# Altium PCB pcb.PcbDoc (part 2 of 3)
Units mil, origin at the board's own origin, x right, y up, seen from the top; angles counter-clockwise.
Board outline 4487.66 x 5255 mil, 2 copper layers (Top Layer, Bottom Layer); 218 components, 191 nets, 869 pads, 351 vias.
Unrouted connection lines stored in the file: 2.
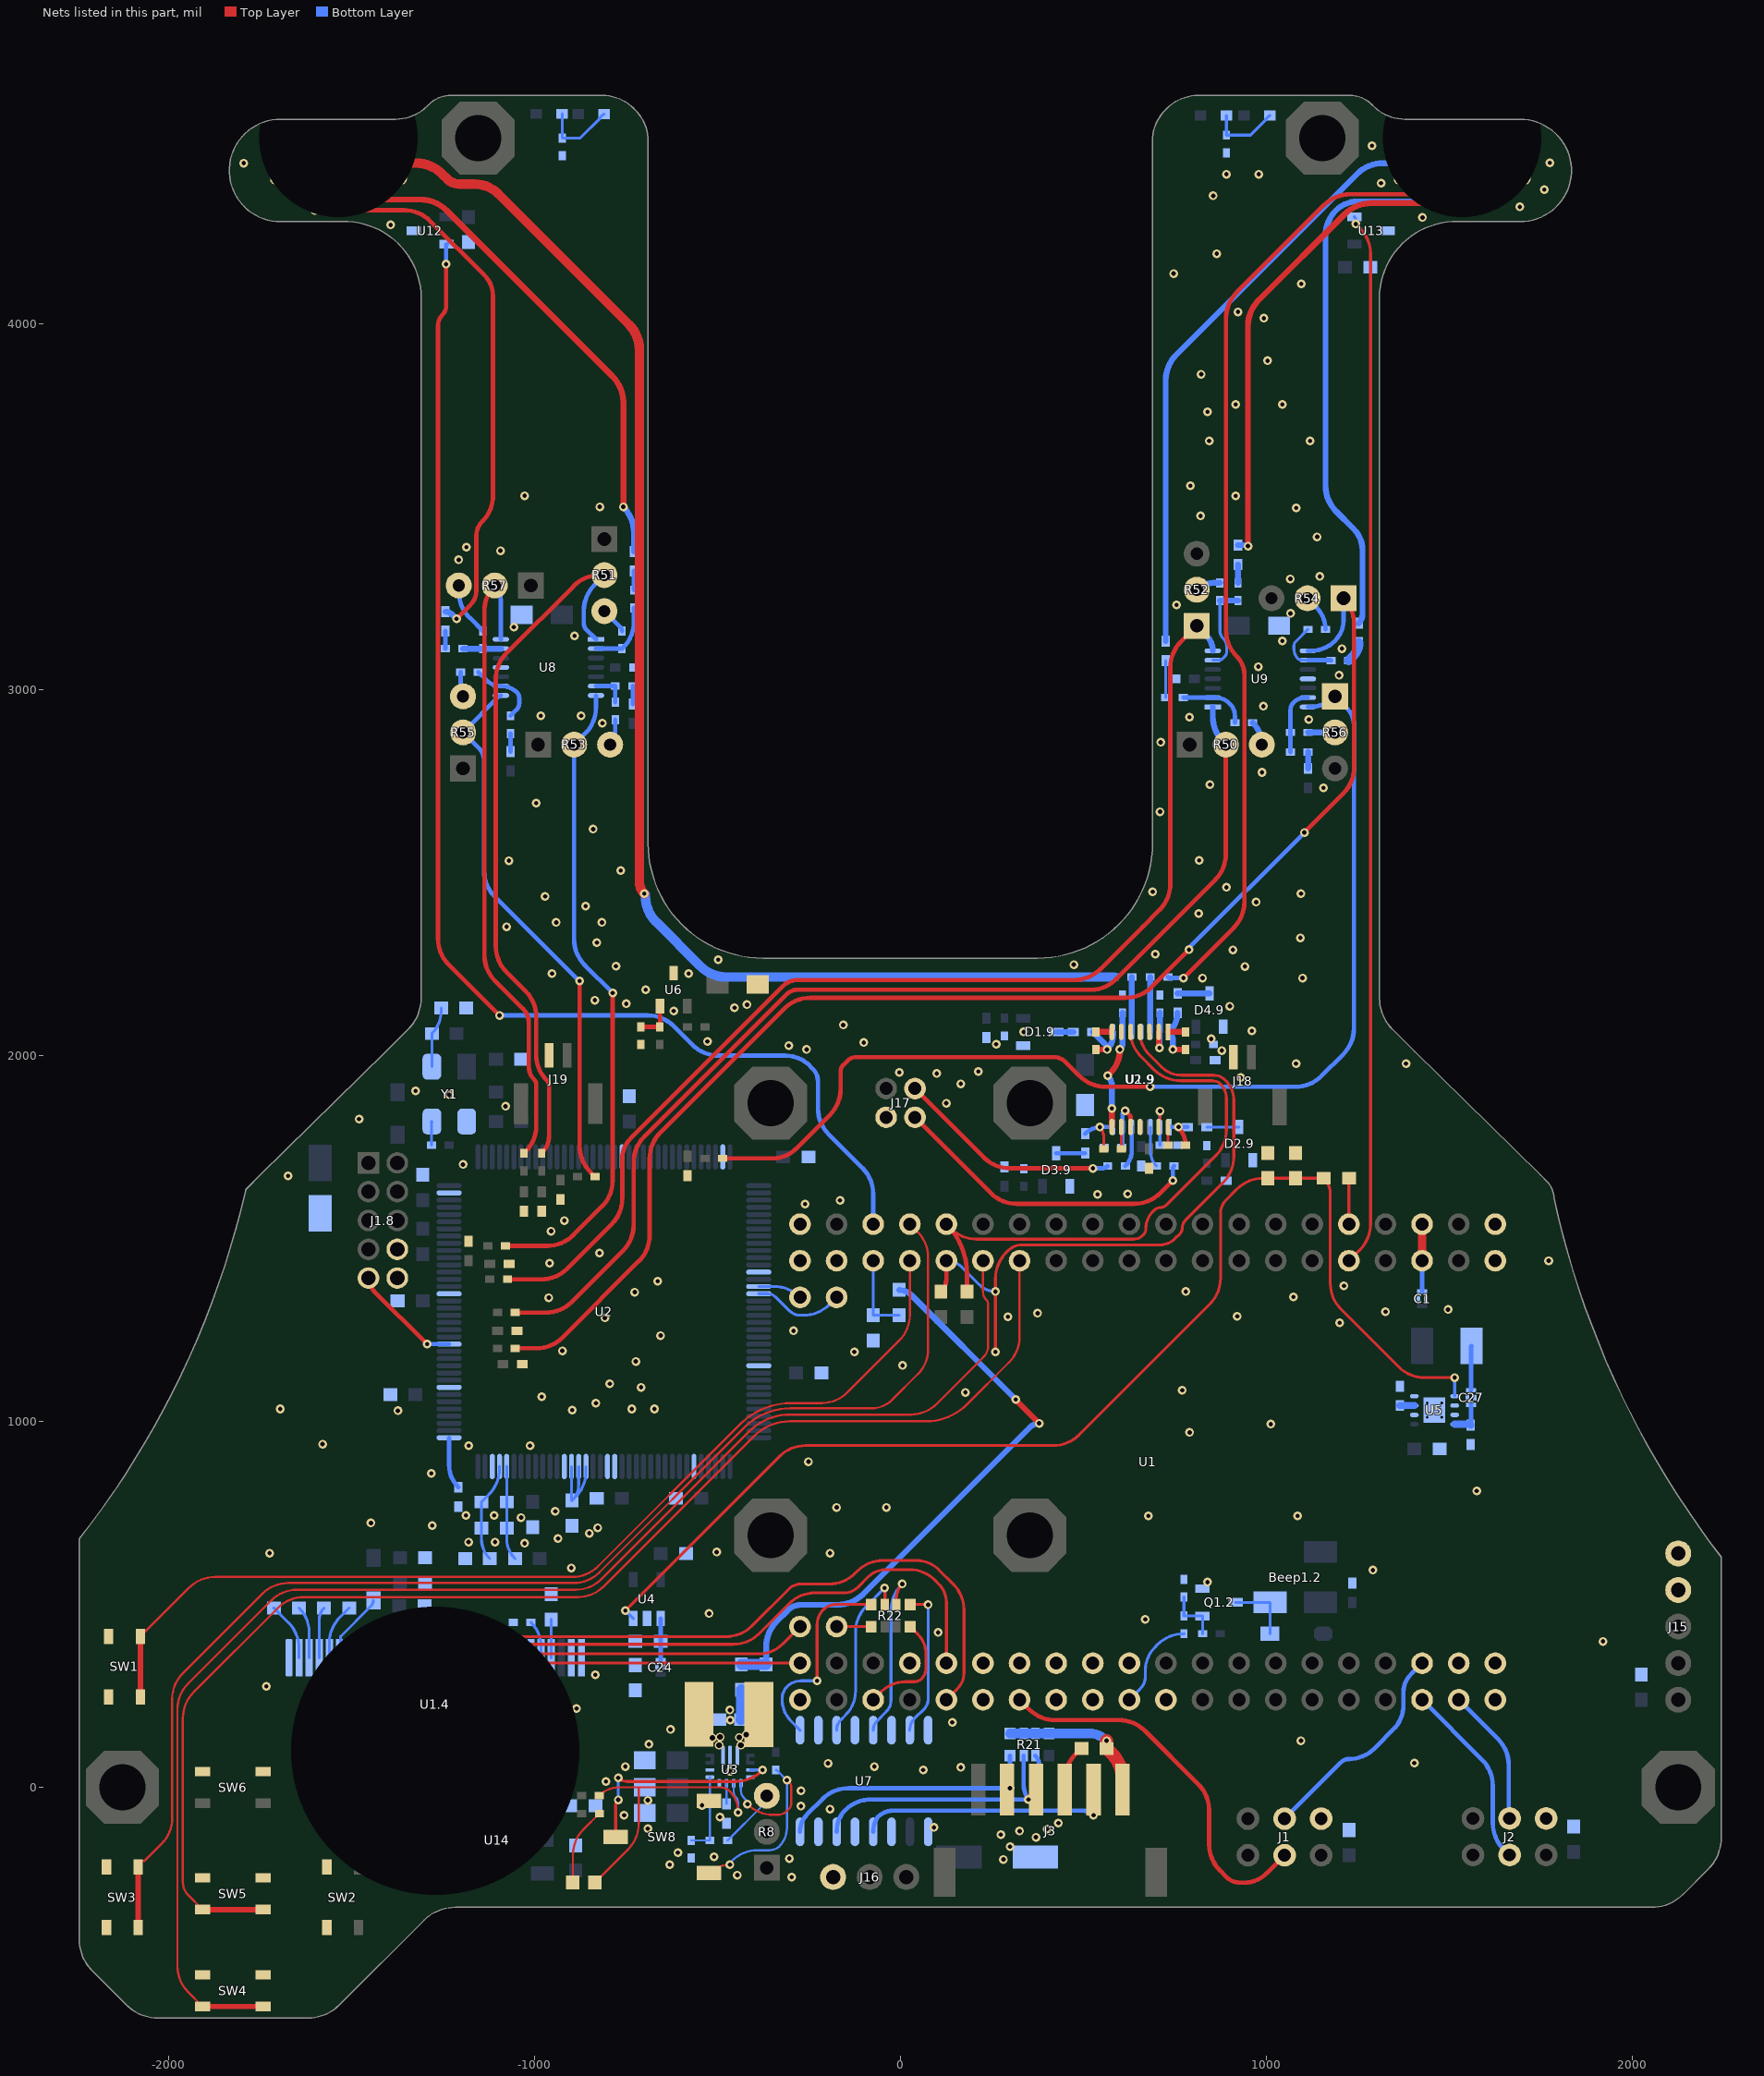
[diagram p2: the nets of this part, all layers, seen from the top]

## Via types
v1: diameter 24, hole 12, Top Layer to Bottom Layer, tented both sides, 336 vias
v2: diameter 23.62, hole 15.75, Top Layer to Bottom Layer, tented both sides, 13 vias
v3: diameter 23.62, hole 11.81, Top Layer to Bottom Layer, tented both sides, 2 vias

## Nets (pads, with @x,y where several pads share a name; then routed paths per layer and width w, separated by ;. In a path a pad name is that pad's centre, name@x,y a point inside that pad or via, vN(x,y) a via of type N, cw(c..) or ccw(c..) an arc to the next point about the centre after c; other vN are vias at no path point) (continued)
AD_B0_14: SW4.1 U1.30 | length 3874.2
  Top Layer w6: SW4.1@-1906.67,-598.91 -1946.42,-559.16 cw(c-1875.71,-488.45) -1975.71,-488.45 -1975.71,212.87 cw(c-1875.71,212.87) -1946.42,283.58 -1719.29,510.71 cw(c-1648.58,440) -1648.58,540 -887.3,540 ccw(c-887.3,640) -816.59,569.29 -413.32,972.56 cw(c-301.34,860.58) -301.34,1018.94 28.92,1018.94 ccw(c28.92,1118.94) 99.63,1048.23 226.94,1175.54 ccw(c195.41,1207.07) 240,1207.07 240,1320.32 ccw(c222.93,1320.32) 235,1332.39 cw(c256.7,1354.09) 226.01,1354.09 U1.30@226.01,1439.39
  Top Layer w15: SW4.1@-1906.67,-598.91 SW4.1@-1741.31,-598.91
AD_B0_15: SW5.1 U1.28 | length 3653.3
  Top Layer w6: SW5.1@-1906.67,-333.91 -1946.42,-294.16 cw(c-1911.92,-259.66) -1960.71,-259.66 -1960.71,189.18 cw(c-1860.71,189.18) -1931.42,259.89 -1700.6,490.71 cw(c-1629.89,420) -1629.89,520 -881.16,520 ccw(c-881.16,620) -810.45,549.29 -399.97,959.77 cw(c-301.74,861.55) -301.74,1000.45 70.32,1000.45 ccw(c70.32,1158.81) 182.3,1046.84 296.72,1161.25 ccw(c226.01,1231.96) 326.01,1231.96 U1.28@326.01,1439.39
  Top Layer w15: SW5.1@-1906.67,-333.91 SW5.1@-1741.31,-333.91
AD_B1_00: R47.2 U1.32 U2.9.4 | length 1803.9
  Top Layer w8: v1(260,1190) v1(260,1355) 260,1391.05 cw(c360,1391.05) 289.29,1461.76 294.11,1466.58 cw(c333.16,1427.54) 333.16,1482.75 710.11,1482.75 ccw(c710.11,1539.4) 750.16,1499.34 764.61,1513.79 ccw(c750.68,1527.71) 770.38,1527.71 cw(c803.53,1527.71) 780.09,1551.16 882.13,1653.2 ccw(c811.42,1723.91) 911.42,1723.91 911.42,1878.65 ccw(c837.08,1878.65) 889.65,1931.22 887.77,1933.09 ccw(c855.36,1900.67) 855.36,1946.51 767.7,1946.51 cw(c767.7,2021.66) 755.54,1947.5 cw(c767.7,2021.66) 714.57,1968.52 cw(c779.47,2044.6) 708.76,1973.89 681.3,2001.35 cw(c744.8,2064.84) U2.9.4@655,2064.84
  Top Layer w12: R47.2@111.02,1355 ccw(c74.84,1391.18) 126.01,1391.18 U1.32@126.01,1439.39
  Bottom Layer w8: U1.32@126.01,1439.39 cw(c126.01,1380.02) 168,1422 217.32,1372.68 ccw(c260,1415.36) v1(260,1355)
AD_B1_01: R48.2 U1.31 U2.9.5 | length 1583.4
  Top Layer w8: U1.31@126.01,1539.39 137.99,1527.41 ccw(c208.7,1598.12) 208.7,1498.12 637.91,1498.12 ccw(c637.91,1531.94) 661.83,1508.03 665.13,1511.33 ccw(c651.52,1524.95) 670.77,1524.95 670.77,1527.71 cw(c735.01,1527.71) 689.59,1573.14 694.28,1577.83 cw(c711.66,1560.46) 711.66,1585.03 ccw(c711.66,1606.36) 726.74,1591.27 862.01,1726.54 ccw(c791.3,1797.25) 891.3,1797.25 891.3,1883.04 ccw(c835.65,1883.04) 875,1922.39 ccw(c853.33,1900.71) 853.33,1931.36 765.45,1931.36 cw(c765.45,2031.36) 694.74,1960.65 656.89,1998.51 cw(c723.22,2064.84) U2.9.5@629.41,2064.84
  Top Layer w12: U1.31@126.01,1539.39 cw(c-9.89,1403.49) 161.65,1490.17 cw(c-9.89,1403.49) 182.3,1403.49 R48.2@182.3,1355
AD_B1_02: SW1.1 U1.34 | length 2778.5
  Top Layer w6: SW1.1@-2076.7,412.68 -1943.66,545.71 cw(c-1872.95,475) -1872.95,575 -896.62,575 ccw(c-896.62,675) -825.91,604.29 -437.7,992.5 cw(c-298.21,853.01) -298.21,1050.28 -215.28,1050.28 ccw(c-215.28,1150.28) -144.57,1079.57 -3.28,1220.86 ccw(c-73.99,1291.57) 26.01,1291.57 U1.34@26.01,1439.39
  Top Layer w15: SW1.1@-2076.7,247.32 SW1.1@-2076.7,412.68
AD_B1_03: SW3.1 U1.33 | length 3502.9
  Top Layer w6: SW3.1@-2082.68,-217.93 -2082.68,-210.62 -2072.89,-200.83 -2065.59,-200.83 -2018.46,-153.7 ccw(c-2087.16,-85) -1990,-85 -1990,241.25 cw(c-1890,241.25) -1960.71,311.96 -1743.56,529.11 cw(c-1672.85,458.4) -1672.85,558.4 -893.02,558.4 ccw(c-893.02,658.4) -822.31,587.69 -426.08,983.92 cw(c-300.35,858.18) -300.35,1036 -78.97,1036 ccw(c-78.97,1116.66) -21.93,1059.62 47.93,1129.48 ; U1.33@26.01,1539.39 46.72,1518.68 cw(c-23.99,1447.97) 76.01,1447.97 76.01,1197.28 cw(c-19.87,1197.28) 47.96,1129.51
  Top Layer w15: SW3.1@-2082.68,-383.29 SW3.1@-2082.68,-217.93
AD_B1_04: C2.2 R2.1 U1.36 | length 220.4
  Bottom Layer w7.87: U1.36@-73.99,1439.39 C2.2@-73.99,1290.16 -3.3,1290.16 R2.1@-2.98,1290.47
AD_B1_05: U1.35 U12.2 | length 3574.1
  Top Layer w12: v1(-1241.19,4163.24) -1241.19,4049.15 cw(c-1275.34,4049.15) -1251.19,4025 ccw(c-1221.22,3995.03) -1263.61,3995.03 -1263.61,2319.59 ccw(c-1163.61,2319.59) -1234.32,2248.88 v1(-1095.43,2110)
  Bottom Layer w12: v1@-1241.19,4155 v1(-1241.19,4163.24) -1241.19,4214.74 -1240.71,4215.22 cw(c-1237.34,4215.22) U12.2@-1239.72,4217.6 ; v1(-1095.43,2110) -690.04,2110 cw(c-690.04,2010) -619.33,2080.71 -567.91,2029.29 ccw(c-497.2,2100) -497.2,2000 -315.25,2000 cw(c-315.25,1900) -254.29,1979.27 -239.84,1964.82 cw(c-275.65,1929) -225,1929 -225,1855.54 ccw(c-125,1855.54) -195.71,1784.83 -160.17,1749.29 -103.28,1692.4 cw(c-173.99,1621.68) -73.99,1621.68 U1.35@-73.99,1539.39
AD_B1_06: U1.38
AD_B1_08: U1.40
AD_B1_09: U1.39
AD_B1_10: U1.42 U2.123 | length 120.5
  Bottom Layer w7.87: U2.123@-386.9,1368.9 -344.91,1368.9 cw(c-344.91,1268.9) U1.42@-274.2,1339.61
AD_B1_11: U1.41 U2.124 | length 250
  Bottom Layer w7.87: U2.124@-386.9,1349.21 -363.7,1349.21 cw(c-363.7,1315.69) -340,1339.39 -303.16,1302.56 ccw(c-273.99,1331.73) -273.99,1290.47 -264.33,1290.47 ccw(c-264.33,1390.47) -193.62,1319.76 U1.41@-173.99,1339.39
AD_B1_12: U1.46
AD_B1_13: U1.4.19 U1.45 | length 1073.6
  Top Layer w7.87: v1(-1175,225) -1089.89,310.11 cw(c-1019.18,239.39) -1019.18,339.39 U1.45@-273.99,339.39
  Bottom Layer w7.87: v1(-1175,225) ccw(c-1176.01,226.01) -1174.58,226.01 U1.4.19@-1174.58,354.35
AD_B1_14: U1.4.18 U1.43 | length 1112.1
  Top Layer w7.87: v1(-1203.81,245) -1113.1,335.71 cw(c-1042.39,265) -1042.39,365 -384.89,365 ccw(c-384.89,453.12) -322.57,390.81 U1.43@-273.99,439.39
  Bottom Layer w7.87: v1(-1203.81,245) ccw(c-1207.76,248.94) -1202.18,248.94 U1.4.18@-1202.18,354.39
AD_B1_15: R22.1 U1.44 | length 94.5
  Top Layer w8: U1.44@-173.99,439.39 R22.1@-79.48,439.39
AGND: C3.9.1 C4.9.1 C7.9.1 C8.9.1 C10.9.2 C11.9.2 C12.1 C16.1 C24.2 C25.1 C26.1 C31.2 C32.2 C33.2 C34.1 C35.1 C38.1 C39.1 C42.1 C43.1 C46.1 C47.1 C50.1 C51.1 D1.9.1 D2.9.1 D3.9.1 D4.9.1 J17.4 J18.2 J19.2 L3.1 pad.1@1535.41,4439.39 pad.1@-1456.69,4439.39 pad.1@-1692.91,4439.39 R3.9.2 R4.1 R4.9.2 R9.9.2 R10.9.2 R12.1 R13.9.2 R14.9.2 R19.9.2 R20.2 R20.9.2 U1.9.11 U2.34 U4.2 U6.3 U8.11 U9.11
  other v1: -899.24,599.89 -1026.77,667.07 -1180.06,670.57 -1107.56,670.57 -935.45,679.78 -850.23,694.49 -826.89,709.61 -1036.43,737.51 -1187.16,743.12 -1110.29,743.12 -942.98,754.57 -1179.39,934.14 -1012.08,934.14 -896.62,1031.16 -733.74,1034.25 -672.2,1034.25 -831.87,1050.28 -980,1067.76 -708.77,1093.31 -794.02,1103.36 -723.03,1164.15 -923.64,1193.16 -654.97,1235 -807.39,1283.01 -960.46,1338.44 -725.69,1353.43 -663.26,1383.31 -958.28,1432.91 -822.31,1460.38 -954.41,1520.11 -918.45,1549.39 125.56,1870.08 165.07,1923.07 930.36,1939.67 99.63,1951.12 -2.92,1954.35 213.26,1956.9 1081.48,1977.93 878.71,2014 -256.08,2016.64 -304.91,2027.14 261.83,2031.01 -100.05,2035.65 -527.09,2038.83 849.27,2045.95 337.09,2064.84 960.61,2067.53 -155.98,2083.53 -619.53,2122.29 -453.02,2130.76 900.68,2135.26 -418.81,2139.29 -748.8,2141.69 -834.89,2151.42 -696.12,2180 826.01,2212.02 1099.25,2212.02 -951.74,2224.56 -578.31,2224.11 941.82,2243.61 -777.3,2244.29 474.02,2248.9 -497.42,2262.03 697.06,2277.18 909.04,2289.24 -829.19,2308.79 1093.5,2322.1 -1075.75,2352.29 -940.42,2363.97 -815.42,2363.97 815.71,2388.73 -860,2408.93 972.44,2419.64 -970.86,2435.47 1095.01,2442.49 689.59,2447.5 891.3,2460 -763.92,2505.6 -1069.85,2532.9 816.56,2533.62 -839.53,2618.94 709.95,2666.85 -995,2690.39 1156.36,2732 846.36,2740.75 988.26,2774.19 711.42,2856.47 -814,2908.36 1116.45,2918.61 790.3,2925.2 -982.29,2928.86 -872.11,2928.86 992.02,2955 1198.76,3039.56 978.48,3063.04 1207.09,3112.54 1043.76,3133.58 -890.6,3147.6 -1056.21,3171.13 1066.17,3208.58 754.68,3231.65 1065.99,3302.96 1146.17,3309.6 -1206.85,3355.2 -1092.89,3380 -1185.86,3390 1139.04,3417.89 820.52,3475 1082.11,3497.15 -821.53,3500 -1026.65,3530.49 916.22,3530 792.61,3557.58 843.89,3680 1119.59,3680 839.37,3760 916.22,3780 1043.76,3780 822.25,3862.54 1003.4,3899.42 993.33,4015.41 922.95,4032.83 1095.97,4109.68 746.76,4137.59 864.61,4192.01 -1393.04,4270.73 1426.94,4290.67 -1600.48,4310.71 1692.89,4319.99 855.04,4350.23 1760,4367.04 1313.86,4385 890.95,4409.01 979.38,4409.01 -1794.65,4439.39 1775,4440 1289.26,4486.99
B0_00: J2.3 U1.82 | length 376.7
  Bottom Layer w12: U1.82@1526.01,239.39 1633.43,131.97 cw(c1562.72,61.26) 1662.72,61.26 J2.3@1662.72,-85
B0_01: J1.3 U1.79 | length 599.5
  Bottom Layer w12: J1.3@1050,-85.61 1203.59,67.98 cw(c1226.43,45.13) 1226.43,77.45 ccw(c1226.43,174.61) 1295.14,105.91 1352.66,163.42 ccw(c1275,226.42) 1375,226.42 1375,260 cw(c1443.53,260) 1395.07,308.46 U1.79@1426.01,339.39
B0_02: J2.4 U1.80 | length 514.8
  Bottom Layer w12: U1.80@1426.01,239.39 1589.83,75.57 cw(c1519.12,4.86) 1619.12,4.86 1619.12,-97.7 ccw(c1719.12,-97.7) 1648.41,-168.41 J2.4@1665,-185
B1_00: U1.66
B1_01: U1.63
B1_02: R2.2.2 U1.64 | length 256.8
  Bottom Layer w8: U1.64@626.01,239.39 655.5,268.89 ccw(c621.67,302.72) 669.52,302.72 669.52,320.04 cw(c757.97,320.04) 695.43,382.58 703.56,390.71 cw(c774.27,320) 774.27,420 R2.2.2@775,420
B1_03: U1.61
B1_04: U1.62
B1_05: U1.59
B1_06: U1.60
B1_07: U1.57
B1_08: J1.4 U1.58 | length 1042.5
  Top Layer w12: U1.58@326.01,239.39 352.5,212.9 ccw(c423.22,283.61) 423.22,183.61 597.67,183.61 cw(c597.67,83.61) 668.38,154.32 814.63,8.07 cw(c743.92,-62.64) 843.92,-62.64 843.92,-156.22 ccw(c943.92,-156.22) 873.21,-226.93 891.41,-245.13 ccw(c929.03,-207.51) 929.03,-260.71 940.35,-260.71 ccw(c940.35,-177.3) 999.32,-236.28 J1.4@1050,-185.61
B1_09: U1.55
B1_10: U1.56
B1_11: U1.4.15 U1.53 | length 1888.5
  Top Layer w7.87: v1(-1285,225) -1148.48,361.52 cw(c-1077.77,290.81) -1077.77,390.81 -456.73,390.81 ccw(c-456.73,490.81) -386.02,420.1 -303.92,502.21 cw(c-233.2,431.5) -233.2,531.5 -154.4,531.5 ccw(c-154.4,586.87) -115.25,547.72 -87.96,575 cw(c-39.68,526.72) -39.68,595 25,595 cw(c25,496.62) 94.57,566.18 105,555.75 cw(c54.28,505.03) 126.01,505.03 U1.53@126.01,339.39
  Bottom Layer w7.87: v1(-1285,225) -1284.81,225.19 U1.4.15@-1284.81,354.39
B1_12: U1.4.14 U1.54 | length 2071.7
  Top Layer w7.87: v1(-1315,243.83) -1176.12,382.71 cw(c-1105.41,312) -1105.41,412 -475.95,412 ccw(c-475.95,512) -405.24,441.29 -303.92,542.61 ; -303.92,542.61 cw(c-272.2,510.9) -272.2,555.75 -194.31,555.75 ccw(c-194.31,655.27) -123.94,584.9 -118.13,590.71 cw(c-47.42,520) -47.42,620 44.64,620 cw(c44.64,534.64) 105,595 144.69,555.31 cw(c73.98,484.6) 173.98,484.6 173.98,313.57 cw(c110.73,313.57) 155.46,268.84 U1.54@126.01,239.39
  Bottom Layer w7.87: v1(-1315,243.83) ccw(c-1321.25,250.09) -1312.41,250.09 U1.4.14@-1312.41,354.39
B1_13: U1.51
B1_15: R22.4 U1.50 | length 311.3
  Top Layer w8: U1.50@-73.99,239.39 -51.67,261.71 cw(c13.24,196.81) 13.24,288.6 38.98,288.6 ccw(c38.98,315.57) 58.06,296.5 ccw(c29.23,325.33) 70,325.33 70,365 ccw(c-5.36,365) 47.93,418.29 R22.4@26.82,439.39
CORE: R49.2 U1.9 | length 125.6
  Top Layer w8: U1.9@1226.01,1539.39 R49.2@1226.01,1665
CR: C61.2 R17.1 R49.1 U4.3 U5.5 | length 3359.4
  Top Layer w7.87: v1@-751.4,487.69 v1(-751.4,483.37) -329.92,904.85 cw(c-259.21,834.14) -259.21,934.14 417.72,934.14 ccw(c417.72,1034.14) 488.43,963.43 845.71,1320.71 ccw(c775,1391.42) 875,1391.42 875,1568.79 cw(c926.21,1568.79) 889.99,1604.99 920.71,1635.71 cw(c991.42,1565) 991.42,1665 R17.1@1080,1665 R49.1@1157.01,1665 cw(c1113.58,1621.57) 1175,1621.57 1175,1377.58 ccw(c1275,1377.58) 1204.29,1306.87 1361.87,1149.29 ccw(c1432.58,1220) 1432.58,1120 v1(1515,1120)
  Bottom Layer w7.87: v1(-751.4,483.37) -751.4,483.24 U4.3@-729.8,461.65 ; U5.5@1515,1069.18 v1(1515,1120)
DVDD: C53.2 J3.6 R21.1 R21.2 R21.3 R21.4 | length 416.9
  Top Layer w36: v1(563.87,127.44) C53.2@563.87,106.63 577.56,92.94 cw(c506.85,22.23) 606.85,22.23 J3.6@606.85,-6.48
  Bottom Layer w26: R21.1@299.8,147.52 R21.2@337.21,147.52 R21.3@368.7,147.52 R21.4@406.1,147.52 412.32,147.52 515.39,147.52 cw(c515.39,78.96) v1(563.87,127.44)
EMC_40: U1.84
EMC_41: U1.81
EN: J3.2 R21.8 U7.16 | length 721.8
  Bottom Layer w12: U7.16@-274.05,-121.57 cw(c-205.36,-121.57) -253.93,-73.01 -212.48,-31.55 cw(c-141.77,-102.26) -187.14,-13.15 cw(c-141.77,-102.26) -141.77,-2.26 v1(299.8,-2.26) R21.8@299.8,86.89
FB: R11.2 R13.1 U3.5 | length 224
  Bottom Layer w6: R13.1@-571.52,-145 R11.2@-520.31,-145 U3.5@-520.31,27.83
GND: C1.2 C1.2.1 C1.8.2 C2.1 C3.1 C3.4.1 C4.1 C4.4.1 C5.1 C5.4.1 C6.1 C6.4.1 C7.1 C7.4.1 C8.1 C9.1 C9.9.1 C11.1 C15.1 C17.1 C27.2 C28.1 C29.1 C30.1 C56.1 C57.1 C58.1 C59.1 C60.1 C61.1 C62.2 C63.1 J1.1 J1.8.8 J1.8.10 J2.1 J15.4 J15.5 Q1.2.2 R1.4.1 R3.2.1 R6.2 R12.2 R14.1 R16.1 R17.2 SW1.2 SW2.2 SW3.2 SW4.2 SW5.2 SW6.2 U1.1 U1.2 U1.4.1 U1.4.7 U1.4.8 U1.4.10 U1.4.11 U1.4.12 U1.4.13 U1.4.16 U1.4.17 U1.4.21 U1.4.22 U1.4.23 U1.4.24 U1.4.25 U1.4.29 U1.4.30 U1.83 U2.6 U2.9.3 U2.9.6 U2.9.11 U2.17 U2.18 U2.24 U2.44 U2.57 U2.71 U2.93 U2.107 U2.121 U2.134 U5.4 U5.9 U7.2 U7.4 U7.6 U7.8 U12.3 U13.3 U14.1 Y1.2
  other v1: 1404.76,66.65 1094.99,127.44 -1414.87,147.36 142.13,177.72 -885,215.19 -1626.29,219.65 -1070.89,257.81 -1732.55,275.9 -833.46,307.5 1920,399.04 103.2,423.41 669.52,459.08 -522.32,475.21 839.48,560.79 1291.41,593.84 -1723.92,640 -191.9,640 -501.83,643.01 -1279.09,715.39 -1446.81,722.52 677.71,741.97 1085.58,741.97 -173.99,765 -38.17,765 1575,810 -1281.52,857.92 -250.93,890 -1578.94,938.02 790.73,969.87 1012.76,992.72 -1373.06,1029.23 -1694.51,1034.25 177.98,1079.57 770.38,1085.34 6.15,1153.2 -125.53,1190 -291.9,1247.78 1200.68,1269.87 294.11,1286 920.71,1287.51 375.31,1295.93 1326.01,1299.76 1496.74,1305.92 1074.3,1340.58 779.97,1355 1212.34,1370.64 1771.93,1439.39 -260.07,1594 -164.96,1604.47 538.92,1621.06 621.35,1621.94 -1673.31,1671.36 -1195.26,1702.25 -1479.3,1826.54 -1078.86,1861.42 -1233.1,1892.9 -1325,1903.36 1382.02,1977.93
H1: J17.3 R2.9.2 | length 861
  Top Layer w12: J17.3@40,1831.26 246.97,1624.29 ccw(c317.68,1695) 317.68,1595 639.65,1595 ccw(c639.65,1695) 710.36,1624.29 v1(745,1658.93)
  Bottom Layer w12: v1(745,1658.93) 745,1690.6 cw(c755.93,1690.6) R2.9.2@748.2,1698.33
H2: J17.2 R11.9.2 | length 614.5
  Top Layer w12: J17.2@40,1910 228.71,1721.29 ccw(c299.42,1792) 299.42,1692 v1(526.01,1692)
  Bottom Layer w12: v1(526.01,1692) 551.53,1692 ccw(c551.53,1713.6) R11.9.2@566.8,1698.33
H3: pad.1@-1377.95,4439.39 R1.9.2 | length 3772.4
  Top Layer w26: pad.1@-1377.95,4439.39 -1323,4439.39 cw(c-1323,4339.39) -1252.29,4410.11 -1237.86,4395.67 ccw(c-1205,4428.53) -1205,4382.06 -1163.41,4382.06 cw(c-1163.41,4289.66) -1098.08,4355 -742.09,3999.02 cw(c-812.8,3928.31) -712.8,3928.31 -712.8,2474.27 ccw(c-667.86,2474.27) v1(-699.64,2442.49)
  Bottom Layer w26: v1(-699.64,2442.49) cw(c-699.64,2440.14) -697.98,2441.8 -696.71,2440.53 -696.71,2435.98 ccw(c-596.71,2435.98) -667.42,2365.27 -546.44,2244.29 ccw(c-475.73,2315) -475.73,2215 R1.9.2@584.44,2215
H4: pad.1@1456.67,4439.39 R12.9.2 | length 2697.6
  Top Layer w12: v1(773.59,2212.02) 910.99,2349.41 ccw(c840.28,2420.12) 940.28,2420.12 940.28,3040.71 ccw(c869.16,3040.71) 919.49,3090.96 ccw(c869.16,3040.71) 919.45,3091 cw(c990.16,3161.71) 890.16,3161.71 890.16,4015.41 cw(c990.16,4015.41) 919.45,4086.12 1158.26,4324.93 cw(c1228.97,4254.22) 1228.97,4354.22 1391.28,4354.22 ccw(c1391.28,4389.89) 1416.5,4364.67 1432.23,4380.39 ccw(c1373.22,4439.39) pad.1@1456.67,4439.39
  Bottom Layer w12: R12.9.2@731.2,2215 ccw(c738.41,2222.21) 738.41,2212.02 v1(773.59,2212.02)
HAL2: U1.10 U13.2 | length 2886.4
  Top Layer w8: U1.10@1226.01,1439.39 1255.71,1469.1 ccw(c1185,1539.81) 1285,1539.81 1285,4191.62 ccw(c1185,4191.62) 1255.71,4262.34 v1(1245,4273.05)
  Bottom Layer w8: U13.2@1241.11,4292.4 cw(c1231.71,4283.01) 1245,4283.01 v1(1245,4273.05)
NetBeep1.2_2: Beep1.2.2 D1.2.1 Q1.2.3 | length 179.2
  Bottom Layer w8: Q1.2.3@916.56,505.6 Beep1.2.2@1010.18,505.6 D1.2.1@1010.18,420
NetC1.4_1: C1.4.1 U1.4.2 | length 160.2
  Bottom Layer w8: C1.4.1@-1712.16,490.32 -1672.45,450.61 cw(c-1743.16,379.9) -1643.16,379.9 U1.4.2@-1643.16,354.35
NetC1.4_2: C1.4.2 U1.4.3 | length 143.3
  Bottom Layer w8: C1.4.2@-1643.16,490.32 cw(c-1709.79,423.68) -1615.56,423.68 U1.4.3@-1615.56,354.39
NetC1.9_1: C1.9.1 R6.9.1 U1.9.8 | length 145.7
  Top Layer w16: R6.9.1@535,2016.64 v1(565,2016.64)
  Bottom Layer w16: C1.9.1@526.01,2064.68 558.6,2032.1 cw(c543.15,2016.64) v1(565,2016.64) ccw(c525.27,2056.37) 581.46,2056.37 U1.9.8@581.46,2064.68
NetC1.9_2: C1.9.2 D1.9.3 | length 47
  Bottom Layer w16: D1.9.3@426.01,2064.68 C1.9.2@473.01,2064.68
NetC1_3: C1.3 U1.5 U1.6 | length 184.4
  Top Layer w23.62: U1.6@1426.01,1439.39 U1.5@1426.01,1539.39
  Bottom Layer w11.81: C1.3@1426.01,1355 U1.6@1426.01,1439.39
NetC2.4_1: C2.4.1 U1.4.4 | length 139.4
  Bottom Layer w8: U1.4.4@-1588,354.39 -1588,458.93 cw(c-1543.61,458.93) C2.4.1@-1575,490.32
NetC2.4_2: C2.4.2 U1.4.5 | length 154.2
  Bottom Layer w8: U1.4.5@-1560.44,354.39 -1560.44,394.45 cw(c-1460.44,394.45) -1531.15,465.17 C2.4.2@-1506,490.32
NetC2.9_1: C2.9.1 R8.9.1 U1.9.1 | length 109
  Top Layer w12: v1(760.27,1804.84) 757.65,1804.84 757.5,1804.68 760.73,1801.45 cw(c714.28,1755) R8.9.1@779.97,1755
  Bottom Layer w12: U1.9.1@735,1804.84 v1(760.27,1804.84) C2.9.1@785,1804.84
NetC2.9_2: C2.9.2 D2.9.3 | length 88
  Bottom Layer w8: C2.9.2@838,1804.84 D2.9.3@926.01,1804.84
NetC5.4_2: C5.4.2 U1.4.27 | length 104.6
  Bottom Layer w8: U1.4.27@-954.11,354.35 C5.4.2@-954.11,458.93
NetC5.9_1: C5.9.1 R17.9.1 U1.9.7 | length 143.9
  Top Layer w8: v1(545,1804.68) cw(c519.36,1779.05) 555.62,1779.05 R17.9.1@555.62,1745
  Bottom Layer w12: C5.9.1@505,1786.42 cw(c549.47,1741.96) 549.47,1804.84 U1.9.7@581.46,1804.84
NetC5.9_2: C5.9.2 D3.9.3 | length 79
  Bottom Layer w12: D3.9.3@426.01,1733.42 C5.9.2@505,1733.42
NetC6.9_1: C6.9.1 R18.9.1 U1.9.14 | length 144.3
  Top Layer w16: v1(745,2016.64) R18.9.1@779.97,2016.64
  Bottom Layer w16: v1(745,2016.64) 745,2040.86 ccw(c710.86,2040.86) U1.9.14@735,2065 736.83,2066.83 ccw(c686.65,2117) C6.9.1@757.61,2117
NetC6.9_2: C6.9.2 D4.9.3 | length 87.4
  Bottom Layer w16: C6.9.2@757.61,2170 D4.9.3@845,2170
NetC13_1: C13.1 C14.1 L3.2 U2.33 | length 274.1
  Bottom Layer w8: L3.2@-1122.06,625 cw(c-1067.28,679.78) -1144.75,679.78 C14.1@-1144.75,708.48 C13.1@-1144.75,780 -1124.72,800.03 ccw(c-1195.43,870.74) -1099.09,843.93 cw(c-1091.39,841.79) -1099.01,844.2 ccw(c-1115.12,849.29) -1098.62,845.67 cw(c-1090.81,843.96) -1098.56,845.94 ccw(c-1195.43,870.74) -1095.43,870.74 U2.33@-1095.43,876.9
NetC13_2: C13.2 C14.2 L1.2 U2.32 | length 258
  Bottom Layer w8: U2.32@-1075.75,876.9 C13.2@-1075.75,780 C14.2@-1075.75,708.48 -1075.75,679.78 ccw(c-998.28,679.78) L1.2@-1053.06,625
NetC15_2: C15.2 L2.1 Y1.4 | length 167.2
  Bottom Layer w8: Y1.4@-1280.29,1969.61 L2.1@-1280.29,2060 ccw(c-1341.35,2121.06) -1255,2121.06 C15.2@-1255,2130
NetC16_2: C16.2 U2.37 | length 142.1
  Bottom Layer w12: U2.37@-1233.1,955.51 -1233.1,881.41 ccw(c-1146.56,881.41) C16.2@-1207.76,820.21
NetC23_1: C23.1 U3.3 | length 56.1
  Bottom Layer w6: C23.1@-475.04,-45 U3.3@-475.04,11.1
NetC24_3: C24.3 C26.2 U4.1 | length 113.9
  Bottom Layer w11.81: C24.3@-655,347.76 C26.2@-655,398.88 U4.1@-655,461.65
NetC27_1: C27.1 F1.2 | length 122.3
  Bottom Layer w11.81: C27.1@1560,1085 1560,1204.56 cw(c1563.45,1204.56) F1.2@1561.01,1207
NetC27_3: C27.3 C28.2 U5.8 | length 100.5
  Bottom Layer w11.81: C28.2@1559,990 ccw(c1556.59,992.41) 1560,992.41 C27.3@1560,1045.63
  Bottom Layer w19.68: U5.8@1515,992.41 1553.18,992.41 cw(c1553.18,984.18) C28.2@1559,990
NetC30_2: C30.2 U5.3 | length 39.8
  Bottom Layer w19.68: C30.2@1365,1043.59 U5.3@1404.76,1043.59
NetC36_1: C36.1 pad.1@-1535.43,4439.39 | length 1502.4
  Top Layer w16: pad.1@-1535.43,4439.39 -1535.43,4431.85 ccw(c-1435.43,4431.85) -1506.14,4361.14 -1500,4355 ccw(c-1463.79,4391.21) -1463.79,4340 -1311.42,4340 cw(c-1311.42,4240) -1240.71,4310.71 -786.22,3856.22 cw(c-856.93,3785.51) -756.93,3785.51 v1(-756.93,3500)
  Bottom Layer w16: v1(-756.93,3500) cw(c-826.85,3430.09) -727.98,3430.09 C36.1@-727.98,3378
NetC36_2: C36.2 R25.2 | length 52.8
  Bottom Layer w12: R25.2@-727.98,3272.22 C36.2@-727.98,3325
NetC37_1: C37.1 pad.1@1377.93,4439.39 | length 1626.7
  Bottom Layer w16: C37.1@725.39,3133 725.39,3845.58 cw(c825.39,3845.58) 754.68,3916.29 1248.5,4410.11 cw(c1319.21,4339.39) 1319.21,4439.39 pad.1@1377.93,4439.39
NetC37_2: C37.2 R26.2 | length 101.4
  Bottom Layer w8: R26.2@725.39,2978.59 C37.2@725.39,3080
NetC40_2: C40.2 R31.2 | length 48.8
  Bottom Layer w12: R31.2@-730.94,3010 -730.66,3009.72 C40.2@-730.66,2961.36
NetC41_1: C41.1 pad.1@1614.15,4439.39 | length 1527.5
  Top Layer w16: v1(950.09,3392.74) 950.09,3994.13 cw(c1050.09,3994.13) 979.38,4064.84 1215.25,4300.71 cw(c1285.96,4230) 1285.96,4330 1545.3,4330 ; 1545,4330 ccw(c1545,4394.7) 1545.3,4330 ; pad.1@1614.15,4439.39 1614.15,4399.42 cw(c1548.78,4399.42) 1595,4353.2 1590.75,4348.95 cw(c1545,4394.7) 1545.3,4330
  Bottom Layer w16: C41.1@922.84,3395.31 943.88,3395.31 cw(c943.88,3386.53) v1(950.09,3392.74)
NetC41_2: C41.2 R32.2 | length 50.2
  Bottom Layer w16: R32.2@922.84,3292.09 C41.2@922.84,3342.31
NetC44_2: C44.2 R37.2 | length 49.6
  Bottom Layer w12: C44.2@-1065.31,2831.1 R37.2@-1065.31,2880.66
NetC45_1: C45.1 pad.1@1692.89,4439.39 | length 1743.6
  Bottom Layer w16: C45.1@1252.48,3181.66 ccw(c1226.48,3207.67) 1263.26,3207.67 1263.26,3380.58 ccw(c1179.23,3380.58) 1238.65,3440 1191.2,3487.45 cw(c1261.91,3558.16) 1161.91,3558.16 1161.91,4240.99 cw(c1260,4240.99) 1190.64,4310.35 cw(c1249.15,4251.84) 1249.15,4334.59 1616.2,4334.59 ccw(c1616.2,4364.02) 1637,4343.21 1664.39,4370.59 ccw(c1595.58,4439.39) pad.1@1692.89,4439.39
NetC45_2: C45.2 R38.2 | length 57.7
  Bottom Layer w26: R38.2@1225.33,3080 1237.27,3091.94 ccw(c1200.56,3128.66) C45.2@1252.48,3128.66
NetC48_1: C48.1 pad.1@-1614.17,4439.39 | length 1630.2
  Top Layer w12: pad.1@-1614.17,4439.39 ccw(c-1517.07,4439.39) -1585.73,4370.73 -1555,4340 ccw(c-1484.29,4410.71) -1484.29,4310.71 -1355.73,4310.71 cw(c-1355.73,4210.71) -1285.02,4281.42 -1136.55,4132.95 cw(c-1193.27,4076.22) -1113.05,4076.22 -1113.05,3530.98 cw(c-1213.05,3530.98) -1142.34,3460.27 -1142.61,3460 ccw(c-1103.46,3420.85) -1158.82,3420.85 -1158.82,3270 cw(c-1211.9,3270) -1174.37,3232.47 v1(-1212.72,3194.11)
  Bottom Layer w16: C48.1@-1243.2,3213.56 cw(c-1243.2,3186.94) -1224.38,3205.77 v1(-1212.72,3194.11)
NetC48_2: C48.2 R43.2 | length 48.2
  Bottom Layer w12: R43.2@-1243.2,3112.36 C48.2@-1243.2,3160.56
NetC49_2: C49.2 R44.2 | length 45.1
  Bottom Layer w16: C49.2@1114.02,2785 1114.37,2785.35 R44.2@1114.37,2830
NetD1.4_2: D1.4.2 U1.4.6 | length 194
  Bottom Layer w8: U1.4.6@-1532.89,354.39 ccw(c-1539.87,361.37) -1530,361.37 -1530,410 cw(c-1525.56,410) -1528.71,413.13 D1.4.2@-1446.82,495.02 ; D1.4.2@-1446.81,495.03 ccw(c-1463.28,511.48) D1.4.2@-1440,511.48
NetD1_A: D1.A R15.2 | length 214.3
  Top Layer w6: D1.A@-894.87,-259.99 -894.87,-185.37 cw(c-794.87,-185.37) -865.58,-114.66 R15.2@-822.31,-71.39
NetD1_K: D1.K R10.1 U3.2 | length 826.6
  Top Layer w6: D1.K@-834.24,-259.99 -744.29,-170.04 ccw(c-815,-99.33) -715,-99.33 -715,0.25 ; R10.1@-822.86,-22.74 cw(c-767.35,-78.24) -767.35,0.25 -715,0.25 ; v1(-443.25,-68.5) -443.25,-65.03 ccw(c-519.26,-65.03) -465.51,-11.28 ccw(c-493.35,-39.11) -493.35,0.25 -715,0.25
  Bottom Layer w6: U3.2@-455.35,11.1 -455.35,-14.38 ccw(c-440.33,-14.38) -450.95,-25 cw(c-470.32,-44.37) -442.93,-44.37 -442.93,-70 ccw(c-444.43,-70) -443.37,-68.94 -445.51,-66.8 cw(c-447.95,-72.28) -443.69,-68.06 v1(-443.25,-68.5)
NetD2_K: D2.K D3.K R4.2 | length 196.2
  Bottom Layer w8: D3.K@891.14,4569.49 R4.2@891.14,4515.95 956.89,4515.95 998.68,4557.74 998.68,4559.71 1008.46,4569.49 D2.K@1010.43,4569.49
NetD4_K: D4.K D5.K R16.2 | length 209.5
  Bottom Layer w8: D4.K@-924.04,4574.11 R16.2@-924.04,4507.87 -874.86,4507.87 -820.89,4561.85 -820.89,4563.82 -811.11,4573.6 D5.K@-809.14,4573.6
NetL4_1: L4.1 U3.11
  other v2: -435.67,115 -440.35,136.42 -421.14,144.05
NetL4_2: L4.2 U3.9
  other v2: -495,115 -513.43,135 -492.52,137.45
NetQ1.2_1: Q1.2.1 R1.2.1 R2.2.1 R3.2.2 | length 151
  Bottom Layer w8: R3.2.2@775,520 R2.2.1@775,468.2 Q1.2.1@826.01,468.2 R1.2.1@826.01,420
NetR1.4_2: R1.4.2 U1.4.26 | length 103.6
  Bottom Layer w8: R1.4.2@-1009.26,450.61 cw(c-1075.77,384.09) -981.71,384.09 U1.4.26@-981.71,354.39
NetR1.9_1: R1.9.1 U1.9.10 | length 150.3
  Bottom Layer w16: U1.9.10@632.64,2064.68 R1.9.1@632.64,2215
NetR1_1: R1.1 R2.2 R3.2 | length 1658.4
  Top Layer w16: v1(315.71,1059.84) 316.3,1059.84 316.51,1059.62 ccw(c320.83,1059.62) v1@317.77,1056.58 ; v1@317.77,1056.57 v1(379.46,994.88)
  Bottom Layer w16: R1.1@-366.72,336.58 -366.72,383.21 cw(c-266.72,383.21) -337.43,453.92 -307.6,483.75 cw(c-270.92,447.07) -270.92,498.95 -172.29,498.95 ccw(c-172.29,598.95) -101.58,528.23 354.89,984.7 cw(c379.46,960.13) v1(379.46,994.88) ; R2.2@-2.98,1359.47 cw(c-2.98,1313.46) 29.55,1346 v1(315.71,1059.84)
  Bottom Layer w30: R3.2@-434.44,335.76 -368.69,335.76 ccw(c-368.69,338.55) R1.1@-366.72,336.58
NetR2.9_1: R2.9.1 U1.9.3 | length 110.8
  Bottom Layer w8: U1.9.3@683.82,1804.84 683.82,1737.39 ccw(c739.06,1737.39) R2.9.1@700,1698.33
NetR5_2: R5.2 Y1.3 | length 65.3
  Bottom Layer w8: R5.2@-1281.3,1755 -1281.3,1817.56 cw(c-1277.85,1817.56) Y1.3@-1280.29,1820
NetR6_1: R6.1 U2.21 U2.22 U2.23 | length 296.3
  Bottom Layer w7.87: U2.23@-898.58,876.9 -898.58,786.82 ccw(c-894.21,786.82) R6.1@-897.3,783.72 ; U2.22@-878.9,876.9 -878.9,828.15 cw(c-941.73,828.15) R6.1@-897.3,783.72 ; U2.21@-859.21,876.9 -859.21,863.23 cw(c-959.21,863.23) -888.5,792.52 R6.1@-897.3,783.72
NetR8_3: R8.3 R11.1 | length 164.7
  Bottom Layer w6: R11.1@-472.11,-145 -375.42,-48.3 ccw(c-400.57,-23.15) R8.3@-365,-23.15
NetR9_2: R9.2 SW8.1 U3.1 | length 753.6
  Top Layer w6: SW8.1@-522.32,-234.32 cw(c-467.61,-289.04) -467.61,-211.65 v1(-465.51,-211.65) ; v1@-422.91,-40.87 v1(-417.63,-46.15) ccw(c-347.97,23.51) -347.97,-75 -335,-75 ccw(c-335,-38.79) -309.39,-64.39 -305,-60 ccw(c-322.55,-42.45) -297.73,-42.45 -297.73,-4.62 ccw(c-339.62,-4.62) -310,25 v1(-310,19.41)
  Bottom Layer w6: v1(-465.51,-211.65) ccw(c-465.51,-224.58) -474.65,-215.44 -460.36,-201.15 cw(c-389.65,-271.86) -389.65,-171.86 -356.81,-171.86 ccw(c-356.81,-134.72) -330.54,-160.98 ccw(c-380.14,-111.39) -310,-111.39 v1(-310,19.41) -336.77,46.18 ccw(c-340,42.95) R9.2@-340,47.52 ; U3.1@-435.67,11.1 -435.67,-8.92 ccw(c-407.96,-8.92) -427.55,-28.51 -417.78,-38.28 cw(c-422.24,-42.31) v1(-417.63,-46.15)
NetR11.9_1: R11.9.1 U1.9.5 | length 111.2
  Bottom Layer w12: R11.9.1@615,1698.33 ccw(c572.42,1740.91) 632.64,1740.91 U1.9.5@632.64,1804.84
NetR12.9_1: R12.9.1 U1.9.12 | length 150
  Bottom Layer w16: U1.9.12@683,2065 R12.9.1@683,2215
NetR19_1: R19.1 R20.1 U6.1 | length 108.8
  Top Layer w12: R20.1@-708.92,2078.52 R19.1@-656.93,2078.52 U6.1@-656.93,2135.32
NetR22_5: R22.5 U7.7 | length 409.4
  Top Layer w8: R22.5@26.82,500.02 73.4,500.02 cw(c73.4,496.34) v1(76.01,498.95)
  Bottom Layer w8: U7.7@25.95,156.21 cw(c71.73,156.21) 39.36,188.59 65,214.23 ccw(c38.42,240.81) 76.01,240.81 v1(76.01,498.95)
NetR22_6: R22.6 U7.5 | length 484.7
  Top Layer w8: R22.6@-10.58,500.02 -10.58,517 cw(c44.23,517) v1(5.47,555.75)
  Bottom Layer w8: U7.5@-74.05,156.21 cw(c-38.13,156.21) -63.53,181.62 -38.84,206.31 ; -38.82,206.33 ccw(c-71.05,238.53) -25.49,238.53 -25.49,483.37 cw(c74.51,483.37) 3.8,554.08 v1(5.47,555.75)
NetR22_7: R22.7 U7.3 | length 478.2
  Top Layer w8: v1(-43.07,545) cw(c-45.45,542.61) -42.08,542.61 R22.7@-42.08,500.02
  Bottom Layer w8: U7.3@-174.05,156.21 cw(c-133.64,156.21) -162.22,184.79 -149.88,197.12 ccw(c-216.31,263.56) -122.36,263.56 -122.36,424.28 cw(c-22.36,424.28) -93.07,494.99 v1(-43.07,545)
NetR22_8: R22.8 U7.1 | length 559.3
  Top Layer w8: v1(-227.63,291.13) -227.63,444.26 cw(c-170.02,444.26) -210.76,485 cw(c-174.48,448.73) -174.48,500.02 R22.8@-79.48,500.02
  Bottom Layer w8: U7.1@-274.05,156.21 -298.64,180.8 cw(c-240.05,239.39) -322.91,239.39 -322.91,243.83 cw(c-278.83,243.83) -310,275 cw(c-271.06,236.06) -271.06,291.13 v1(-227.63,291.13)
NetR23_2: R23.2 R53.2 U8.7 | length 1768.7
  Top Layer w12: R23.2@-1079.42,1480 -964.51,1480 ccw(c-964.51,1580) -893.8,1509.29 -815.42,1587.67 ccw(c-886.13,1658.38) -786.13,1658.38 v1(-786.13,2171.23)
  Bottom Layer w12: U8.7@-831.65,2984.41 -831.65,2951.31 cw(c-931.65,2951.31) -860.94,2880.6 R53.2@-891.54,2850 -891.54,2318.06 ccw(c-791.54,2318.06) -862.25,2247.35 v1(-786.13,2171.23)
NetR24_2: R24.2 R50.2 U9.1 | length 3023.7
  Top Layer w12: R24.2@-1052.49,1297.79 -968.2,1297.79 ccw(c-968.2,1397.79) -897.49,1327.08 -758.22,1466.35 ccw(c-828.93,1537.06) -728.93,1537.06 -728.93,1708.06 cw(c-628.93,1708.06) -699.64,1778.77 -310.92,2167.49 ; -310.91,2167.5 cw(c-280.72,2137.3) -280.72,2180 522.1,2180 ccw(c522.1,2271.5) 586.77,2206.77 ; 586.8,2206.8 860.33,2480.33 ccw(c789.62,2551.04) 889.62,2551.04 R50.2@889.62,2850
  Bottom Layer w16: U9.1@853.86,2953 853.86,2927.18 ccw(c953.86,2927.18) 883.15,2856.47 R50.2@889.62,2850
NetR25_1: R25.1 R27.1 U8.2 | length 192
  Bottom Layer w12: U8.2@-831.65,3112.36 R27.1@-760.46,3112.36 -757.27,3115.56 ccw(c-827.98,3186.27) -727.98,3186.27 R25.1@-727.98,3224.02
NetR26_1: R26.1 R28.1 U9.2 | length 187.1
  Bottom Layer w12: R26.1@773.59,2978.59 U9.2@853.86,2978.59 860.37,2978.59 cw(c860.37,2921.94) 900.43,2962 cw(c866.02,2927.59) 914.68,2927.59 R28.1@914.68,2910
NetR27_2: R27.2 R51.3 | length 73.8
  Bottom Layer w12: R51.3@-808.76,3215 -764.8,3171.04 cw(c-775.28,3160.56) R27.2@-760.46,3160.56
NetR28_2: R28.2 R50.3 | length 66.8
  Bottom Layer w16: R28.2@962.88,2910 963.41,2909.47 cw(c903.93,2850) R50.3@988.04,2850
NetR29_2: R29.2 R57.2 U8.14 | length 1769.3
  Top Layer w12: R57.2@-1108.43,3285 ccw(c-1040.53,3217.11) -1136.55,3217.11 -1136.55,2274.66 ccw(c-1036.55,2274.66) -1107.26,2203.95 -1031.35,2128.04 cw(c-1069.97,2089.42) -1015.35,2089.42 -1015.35,1970 ccw(c-965.5,1970) -1000.76,1934.76 cw(c-1014.66,1920.86) -995,1920.86 -995,1807.82 cw(c-1095,1807.82) -1024.29,1737.11 R29.2@-1028.2,1733.2
  Bottom Layer w12: R57.2@-1108.43,3285 cw(c-1148.54,3244.88) -1091.81,3244.88 U8.14@-1091.81,3137.95
NetR30_2: R30.2 R52.1 U9.7 | length 3182.8
  Top Layer w12: R30.2@-1073.48,1388.58 -980.81,1388.58 ccw(c-980.81,1488.58) -910.1,1417.87 -789.29,1538.68 ccw(c-860,1609.39) -760,1609.39 -760,1719.14 cw(c-683.7,1719.14) -737.65,1773.1 -320.38,2190.37 ; -320.34,2190.41 cw(c-280.72,2150.72) -280.72,2206.8 475.38,2206.8 ccw(c475.38,2306.8) 546.09,2236.09 662.29,2352.29 708.72,2398.72 ccw(c638.01,2469.43) 738.01,2469.43 738.01,3061.41 cw(c838.01,3061.41) 767.3,3132.12 R52.1@810.18,3175
  Bottom Layer w16: R52.1@810.18,3175 836.35,3148.83 cw(c794.05,3106.54) U9.7@853.86,3106.54
NetR31_1: R31.1 R33.1 U8.6 | length 96.2
  Bottom Layer w12: U8.6@-831.65,3010 R31.1@-779.14,3010 R33.1@-779.14,2966.26
NetR32_1: R32.1 R34.1 U9.6 | length 245.1
  Bottom Layer w8: U9.6@853.86,3080.95 869.87,3080.95 ccw(c869.87,3097.58) 881.62,3085.82 887.37,3091.56 ccw(c876.8,3102.13) 891.74,3102.13 891.74,3118.36 ccw(c862.41,3118.36) 883.15,3139.1 cw(c906.82,3162.77) 873.35,3162.77 R34.1@873.35,3243.89
  Bottom Layer w16: R34.1@873.35,3243.89 R32.1@922.84,3243.89
NetR33_2: R33.2 R53.3 | length 71.8
  Bottom Layer w12: R53.3@-793.11,2850 ccw(c-826.85,2883.73) -779.14,2883.73 R33.2@-779.14,2918.06
NetR34_2: R34.2 R52.2 | length 68.2
  Bottom Layer w16: R52.2@810.18,3273.43 cw(c855.23,3228.37) 855.23,3292.09 R34.2@873.35,3292.09
NetR35_2: R35.2 R51.2 U8.1 | length 1985.9
  Top Layer w12: R35.2@-980,1733.2 ccw(c-1029.23,1782.43) -959.61,1782.43 -959.61,1915.51 ccw(c-985.48,1915.51) -967.19,1933.8 cw(c-900.04,2000.94) -995,2000.94 -995,2105.91 ccw(c-1095,2105.91) -1024.29,2176.62 -1076.38,2228.71 cw(c-1005.67,2299.42) -1105.67,2299.42 -1105.67,3029.29 cw(c-1005.67,3029.29) -1076.38,3100 -892.24,3284.14 cw(c-821.53,3213.43) -821.53,3313.43 R51.2@-808.76,3313.43
  Bottom Layer w12: U8.1@-831.65,3137.95 -858.85,3165.15 cw(c-844,3180) -865,3180 -865,3215.77 cw(c-765,3215.77) -835.71,3286.48 R51.2@-808.76,3313.43
NetR36_2: R36.2 R56.1 U9.14 | length 3004.8
  Top Layer w12: R36.2@-485.72,1719.14 -348,1719.14 ccw(c-348,1807.42) -285.58,1745 -192.5,1838.08 ccw(c-263.21,1908.79) -163.21,1908.79 -163.21,1956.9 cw(c-138.51,1956.9) -155.98,1974.36 -144.57,1985.77 cw(c-119.73,1960.93) -119.73,1996.06 418.94,1996.06 cw(c418.94,1949.6) 451.79,1982.45 490.18,1944.07 ccw(c560.89,2014.78) 560.89,1914.78 v1(682.43,1914.78)
  Bottom Layer w12: v1(682.43,1914.78) 1079.93,1914.78 ccw(c1079.93,2014.78) 1150.64,1944.07 1210.44,2003.86 ccw(c1139.72,2074.57) 1239.72,2074.57 1239.72,2904.21 ccw(c1177.3,2904.21) 1221.44,2948.36 R56.1@1187.94,2981.85 cw(c1118.29,3051.5) 1118.29,2953 U9.14@1114.02,2953
NetR37_1: R37.1 R39.1 U8.9 | length 197.6
  Bottom Layer w12: R39.1@-1153.23,3047.91 -1132.16,3026.85 ccw(c-1091.49,3067.51) U8.9@-1091.49,3010 -1089.64,3010 cw(c-1089.64,2950.6) -1047.64,2992.6 cw(c-1062.46,2977.78) -1041.5,2977.78 -1041.5,2963.43 cw(c-1067.51,2963.43) -1049.12,2945.05 R37.1@-1065.31,2928.86
NetR38_1: R38.1 R40.1 U9.9 | length 189.6
  Bottom Layer w8: U9.9@1113.71,3080.95 1097.7,3080.95 cw(c1097.7,3097.58) 1085.95,3085.82 cw(c1111.08,3110.95) 1075.54,3110.95 1075.54,3118.36 cw(c1095.97,3118.36) 1081.52,3132.82 R40.1@1113.71,3165
  Bottom Layer w12: U9.9@1113.71,3080.95 1174.83,3080.95 cw(c1174.83,3077.7) R38.1@1177.13,3080
NetR39_2: R39.2 R55.3 | length 67.8
  Bottom Layer w12: R39.2@-1201.43,3047.91 -1201.43,2997.36 ccw(c-1179.49,2997.36) R55.3@-1195,2981.85
NetR40_2: R40.2 R54.2 | length 101.7
  Bottom Layer w12: R54.2@1112.64,3250 1136.64,3226 cw(c1075.63,3165) R40.2@1161.91,3165
NetR41_2: R41.2 R55.2 U8.8 | length 1498.6
  Top Layer w12: v1(-876.22,2203.95) -876.22,1752.58 ccw(c-776.22,1752.58) -846.93,1681.87 R41.2@-834.34,1669.29
  Bottom Layer w12: U8.8@-1091.49,2984.41 ccw(c-1091.49,2978.32) -1095.79,2982.63 R55.2@-1195,2883.43 -1150.81,2839.23 cw(c-1181.82,2808.23) -1137.96,2808.23 -1137.96,2505.6 ccw(c-1037.96,2505.6) -1108.68,2434.89 v1@-876.98,2203.19
NetR42_2: R42.2 R54.1 U9.8 | length 3797.2
  Top Layer w12: R42.2@-1052.49,1199.98 -994.08,1199.98 ccw(c-994.08,1299.98) -923.37,1229.27 -714.29,1438.36 ccw(c-785,1509.07) -685,1509.07 -685,1719.23 cw(c-585,1719.23) -655.71,1789.94 -316.8,2128.85 cw(c-246.09,2058.14) -315.96,2129.69 cw(c-246.09,2058.14) -313.88,2131.66 cw(c-246.09,2058.14) -246.09,2158.14 616.26,2158.14 ccw(c616.26,2258.14) 686.97,2187.43 v1(789.11,2289.57) ; v1(1104.07,2610) 1104.07,2610.24 1210.71,2716.88 ccw(c1140,2787.59) 1240,2787.59 1240,3180.15 ccw(c1141.22,3180.15) R54.1@1211.07,3250
  Bottom Layer w12: v1(789.11,2289.57) cw(c802.32,2289.57) 792.98,2298.91 v1(1104.07,2610) ; U9.8@1113.71,3106.54 1122.67,3106.54 ccw(c1122.67,3198.86) 1187.94,3133.58 ccw(c1132.12,3189.41) 1211.07,3189.41 R54.1@1211.07,3250
NetR43_1: R43.1 R45.1 U8.13 | length 103.5
  Bottom Layer w16: R43.1@-1195,3112.36 R45.1@-1140.84,3112.36 U8.13@-1091.49,3112.36
NetR44_1: R44.1 R46.1 U9.13 | length 180.3
  Bottom Layer w12: R44.1@1066.17,2830 R46.1@1066.17,2883.43 1066.17,2944.93 cw(c1095.24,2944.93) 1074.69,2965.48 cw(c1106.34,2933.83) 1106.34,2978.59 U9.13@1113.71,2978.59
NetR45_2: R45.2 R57.3 | length 147.5
  Bottom Layer w12: R57.3@-1206.85,3285 -1206.85,3267.99 ccw(c-1106.85,3267.99) -1177.56,3197.28 R45.2@-1140.84,3160.56
NetR46_2: R46.2 R56.2 | length 73.6
  Bottom Layer w16: R46.2@1114.37,2883.43 R56.2@1187.94,2883.43
NetSW8_2: SW8.2 U3.14 | length 606.3
  Top Layer w8: SW8.2@-778.2,-135.95 -778.2,-51.4 cw(c-753.54,-51.4) v1(-770.98,-33.96) ; v1(-770.98,26.24) ccw(c-746.58,50.64) -746.58,16.14 -449.46,16.14 ccw(c-449.46,116.14) -378.75,45.43 v1(-376.66,47.52)
  Bottom Layer w8: v1(-770.98,-33.96) v1(-770.98,26.24) ; U3.14@-410.08,47.52 v1(-376.66,47.52) -375.58,48.59 ccw(c-376.99,50) v1@-375,50
NetU5_2: U5.2 U5.6 U5.7
P0B: R13.9.1 U1.9.6 U2.9.10 | length 154
  Top Layer w12: v1(614.39,1849.17) 629.41,1834.15 U2.9.10@629.41,1805
  Bottom Layer w12: R13.9.1@605,1749.29 ccw(c600.06,1754.23) 607.05,1754.23 U1.9.6@607.05,1804.84 607.05,1842.14 614.08,1849.17 v1(614.39,1849.17)
P0W: R17.9.2 U2.9.9 | length 60
  Top Layer w8: R17.9.2@603.82,1745 U2.9.9@603.82,1805
P1B: R6.9.2 U2.9.7 | length 43.2
  Top Layer w16: R6.9.2@535,2064.84 U2.9.7@578.23,2064.84
P1W: R3.9.1 U1.9.9 U2.9.8 | length 326.7
  Top Layer w16: v1(566.8,1945) 572.92,1951.12 ccw(c507.39,2016.64) 578.23,1956.9 ccw(c507.39,2016.64) v1(600.06,2016.64) ; U2.9.8@578.23,1805 v1(578.23,1855.54)
  Bottom Layer w16: v1(566.8,1945) cw(c539.21,1917.41) 578.23,1917.41 v1(578.23,1855.54) ; v1(600.06,2016.64) ccw(c583.19,2033.51) 607.05,2033.51 U1.9.9@607.05,2064.68 R3.9.1@607.05,2117
P2B: R4.9.1 U1.9.2 U2.9.13 | length 138.6
  Top Layer w8: U2.9.13@706.18,1805 706.18,1822.35 709.95,1826.13 v1(709.95,1848.55)
  Bottom Layer w8: R4.9.1@709.41,1755.29 U1.9.2@709.41,1804.84 709.41,1848 v1(709.95,1848.55)
P2W: R8.9.2 U2.9.14 | length 49.7
  Top Layer w8: R8.9.2@731.77,1755 U2.9.14@731.77,1804.68
P3B: R14.9.1 U1.9.13 U2.9.2 | length 141.4
  Top Layer w16: U2.9.2@706.18,2064.84 706.18,2022.82 v1(708.1,2020.9)
  Bottom Layer w16: v1(708.1,2020.9) 708.1,2063.38 U1.9.13@709.41,2064.68 R14.9.1@709.41,2117
P3W: R18.9.2 U2.9.1 | length 48.2
  Top Layer w16: U2.9.1@731.77,2064.84 R18.9.2@779.97,2064.84
PGND: C18.2 C19.1 C20.1 C21.1 C22.1 C23.2 C52.2 C53.1 J3.4 J16.3 R3.1 R13.2 R14.2 SW8.3 U3.4 U3.6 U3.10 U3.15 U7.9 U7.11 U7.13 U7.15 | length 209.7
  Top Layer w12: J3.4@449.37,-6.42 449.37,19.71 cw(c549.37,19.71) 478.66,90.42 C53.1@494.87,106.63
  Bottom Layer w30: C18.2@-435.67,185 ccw(c-438.63,187.97) -434.44,187.97 R3.1@-434.44,266.76
  other v1: -297.09,-245.13 -445.49,-240 -630.41,-211.65 281.7,-197.11 -303.01,-194.35 -509.15,-190 -608.15,-178.69 299.8,-161.93 370.63,-136.5 274.6,-129.51 326.01,-119.61 400.95,-114.31 -690,-112.78 92.05,-109.55 432.09,-97.99 -493.25,-81.22 -754.89,-76.11 -192.13,-59.45 -271.41,-51.4 -541.87,-49.25 -690,-35.22 -271.06,-9.26 -804.37,16.08 62.39,47.52 164.95,54.51 -751.4,56.75 -71.18,56.75 -197.67,65.78 -687.07,117.65 -628.06,158.08 -465.51,211.2
  other v3: -465.51,44.13 -465.2,183.61
PH1: J3.3 R21.7 U7.14 | length 731.3
  Top Layer w12: v1(350.14,-33.06) cw(c364.98,-33.06) 354.47,-22.58 J3.3@370.63,-6.42
  Bottom Layer w12: U7.14@-173.99,-121.57 -173.99,-120.59 cw(c-87.52,-120.59) -155.22,-66.8 -150.77,-62.35 cw(c-80.06,-133.06) -80.06,-33.06 v1(350.14,-33.06) cw(c404.89,6.73) 337.21,6.73 R21.7@337.21,86.89
PH2: J3.5 R21.6 U7.12 | length 791.8
  Bottom Layer w12: U7.12@-73.99,-121.57 cw(c-2.36,-121.57) -61.32,-80.9 cw(c-20.03,-122.19) -20.03,-63.8 379.46,-63.8 ; R21.6@368.7,86.89 cw(c342.73,60.91) 379.46,60.91 379.46,-63.8 ; v1@526.01,-75.49 ccw(c497.79,-103.71) 497.79,-63.8 379.46,-63.8
  other v1: 528.14,-75.95
PTA0: J1.8.9 U2.50 | length 304.8
  Top Layer w12: J1.8.9@-1453.36,1391.91 ccw(c-1404.53,1391.91) -1439.06,1357.39 v1(-1293.09,1211.42)
  Bottom Layer w12: v1(-1293.09,1211.42) U2.50@-1233.1,1211.42